# Altium PCB fMAX_MB.PcbDoc (part 10 of 13)
Units mil, origin at the board's own origin, x right, y up, seen from the top; angles counter-clockwise.
Board outline 9175 x 6300 mil, 14 copper layers (TopLayer, Gnd1, MidLayer1, Power1, MidLayer4, Power2, MidLayer2, Power3, MidLayer3, Gnd3, MidLayer6, Gnd2, MidLayer5, BottomLayer); 679 components, 896 nets, 4133 pads, 2341 vias.
Unrouted connection lines stored in the file: 4.
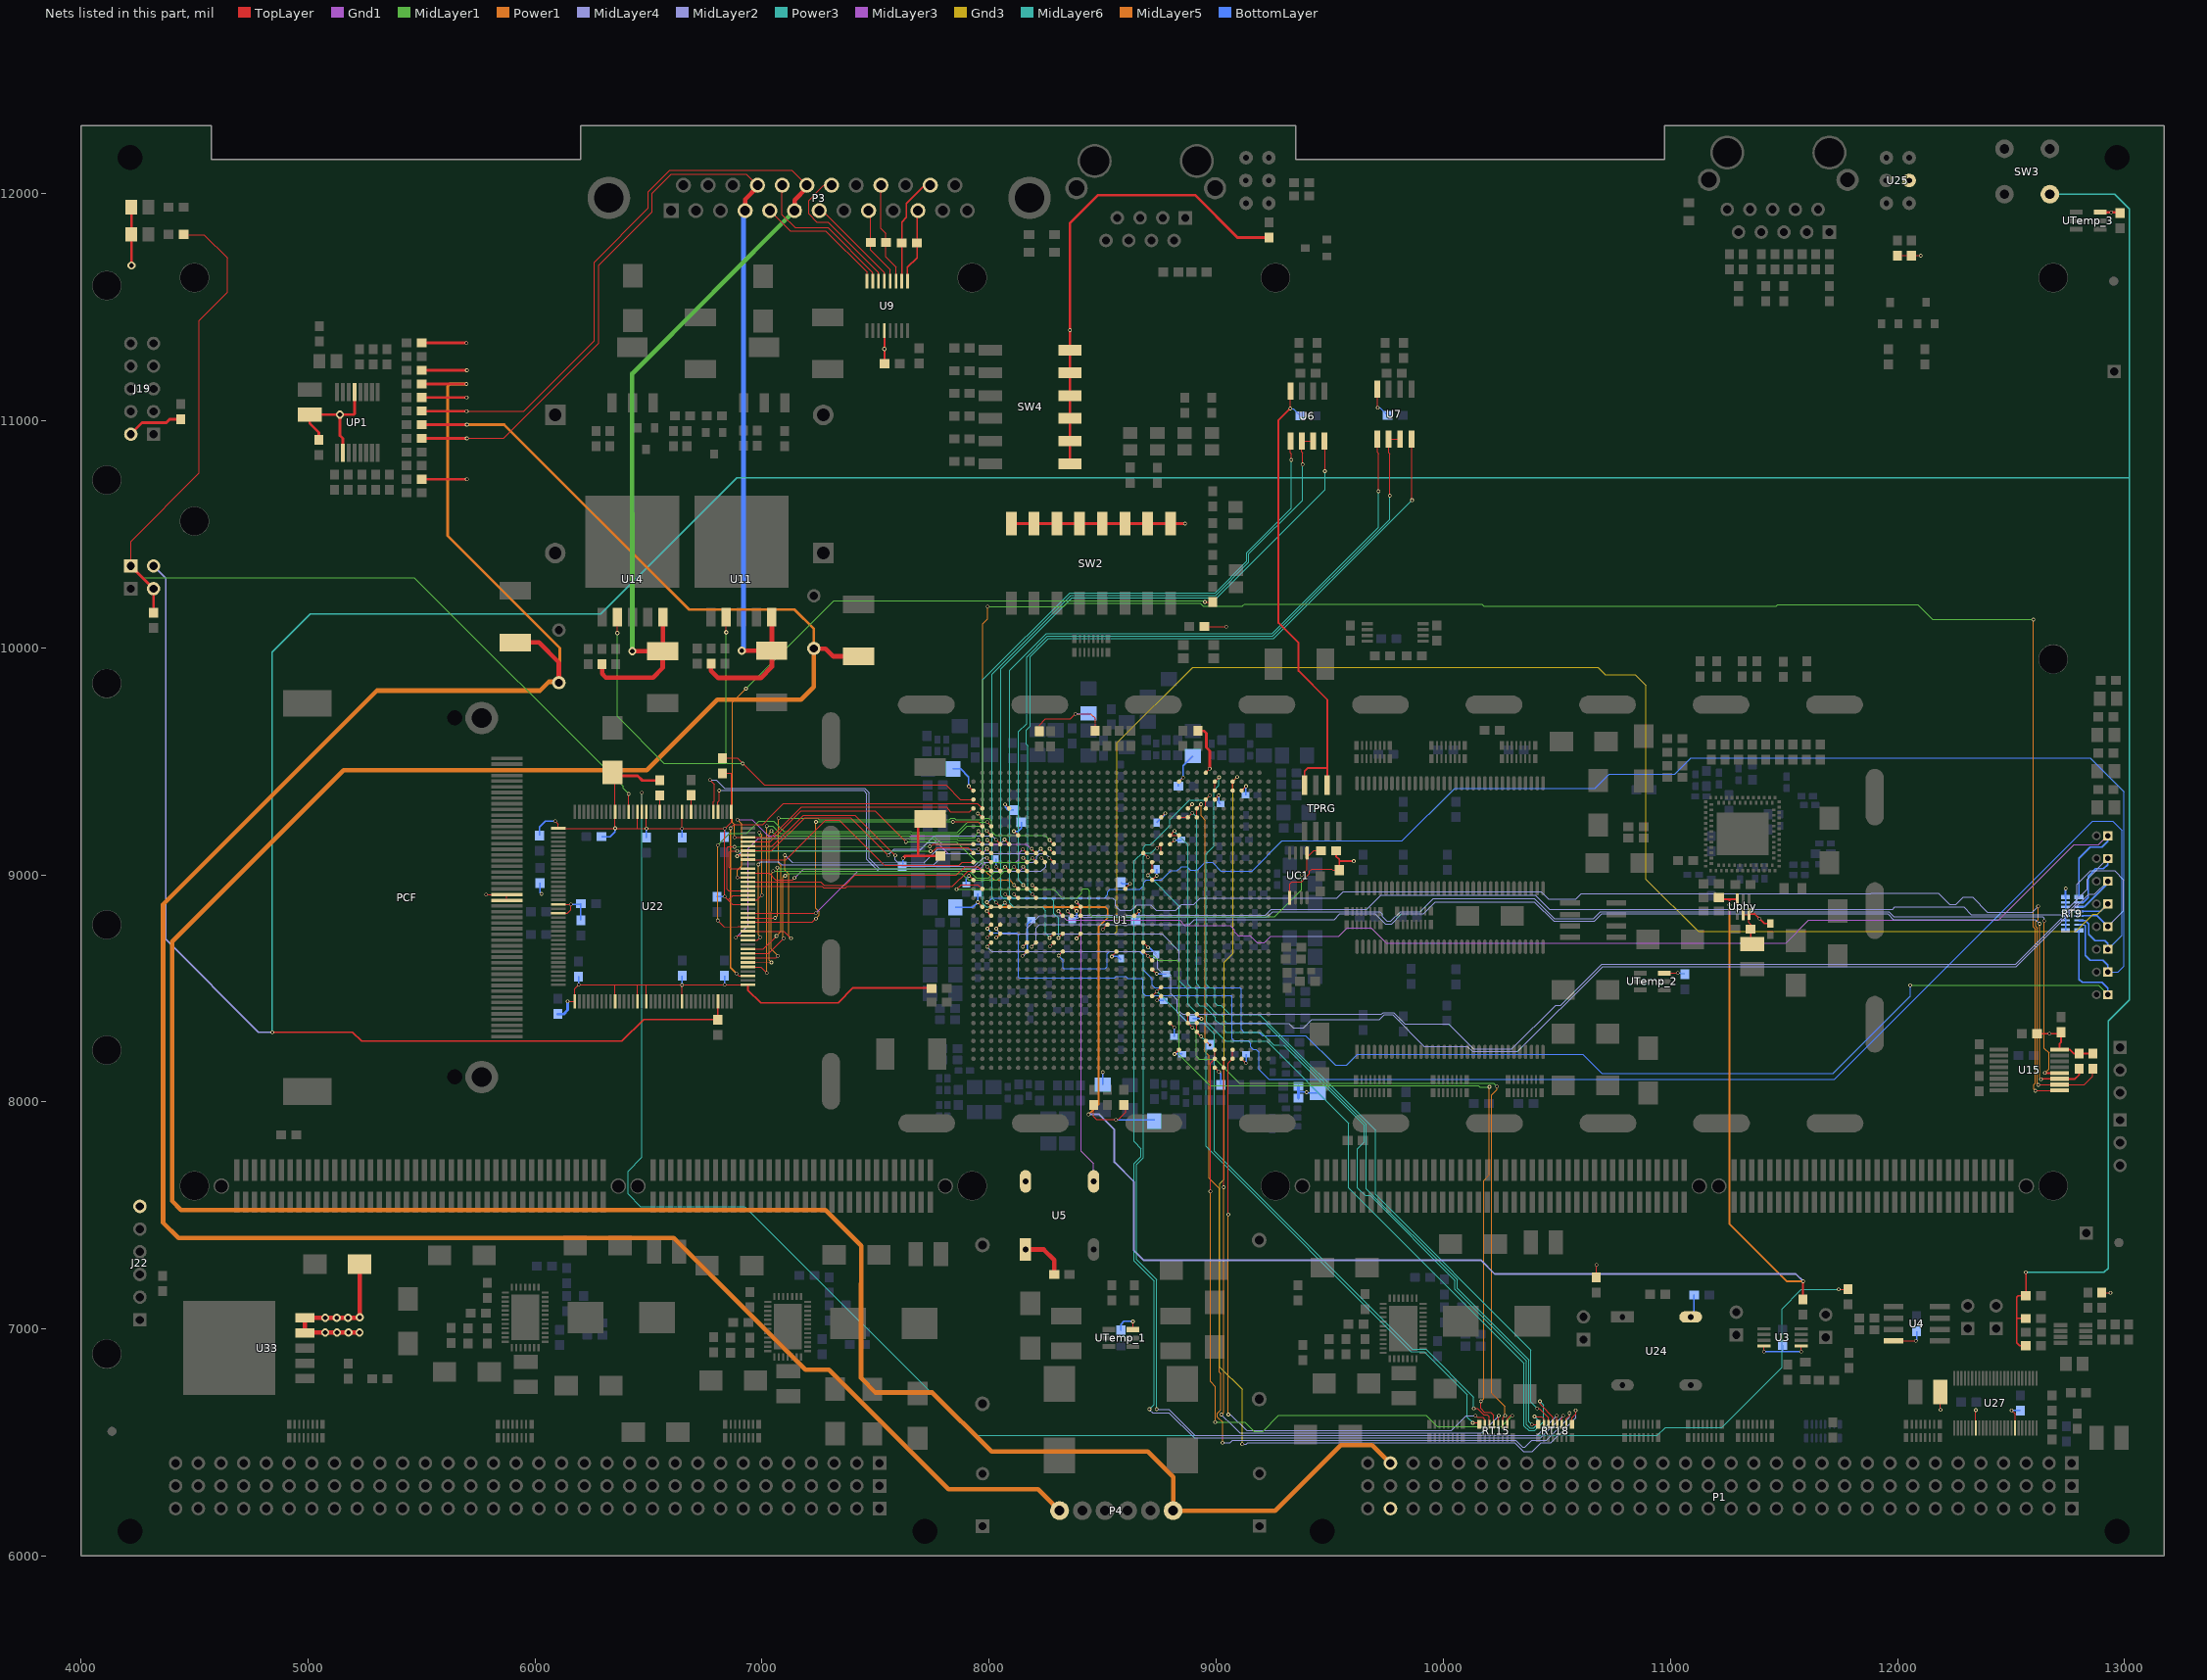
[diagram p22: the nets of this part, all layers, seen from the top]

## Via types
v1: diameter 16, hole 10, TopLayer to BottomLayer, tented both sides, 2192 vias
v2: diameter 36, hole 20, TopLayer to BottomLayer, tented both sides, 84 vias
v3: diameter 20, hole 10, TopLayer to BottomLayer, tented both sides, 61 vias
v4: diameter 160, hole 125, TopLayer to BottomLayer, tented both sides, 4 vias

## Nets (pads, with @x,y where several pads share a name; then routed paths per layer and width w, separated by ;. In a path a pad name is that pad's centre, name@x,y a point inside that pad or via, vN(x,y) a via of type N, cw(c..) or ccw(c..) an arc to the next point about the centre after c; other vN are vias at no path point) (continued)
RS485A_DE_1: U1.AH14 U7.2 U7.3 | length 3305.5
  TopLayer w5: v1(8150,8955) 8166.61,8938.39 U1.AH14@8166.61,8937.8 ; v1(9763.78,10669.29) 9763.78,10853.35 9759.38,10857.75 U7.2@9759.38,10917.92 U7.3@9809.38,10917.92
  MidLayer6 w5: v1(8150,8955) 8150,8956.3 8129.92,8976.38 8129.92,9629.92 8165.35,9665.35 8165.35,9959.65 8256.89,10051.18 9249.64,10051.18 9763.78,10565.32 v1(9763.78,10669.29)
RS485A_DI_1: U1.AG15 U7.4 | length 3323.8
  TopLayer w5: v1(8190,8915) 8205.98,8899.02 U1.AG15@8205.98,8898.43 ; U7.4@9859.38,10917.92 9862.2,10915.09 v1(9862.2,10649.61)
  MidLayer6 w5: v1@8188.98,8915.35 8188.98,8917.32 8169.29,8937.01 8169.29,9567.91 8163.39,9573.82 8163.39,9636.81 8181.1,9654.53 8181.1,9960.63 8260.83,10040.35 9252.95,10040.35 v1@9863.19,10650.59
RS485A_RO_1: U1.AD19 U7.1 | length 3668.1
  TopLayer w5: v1(8305,8722) U1.AD19@8324.09,8740.94 ; U7.1@9709.38,10917.92 9709.38,10859.52 9714.57,10854.33 v1(9714.57,10688.98)
  MidLayer6 w5: v1(8305,8722) 8305,8808.19 8284.45,8828.74 8284.45,8884.84 8271.65,8897.64 8102.36,8897.64 8090.55,8909.45 8090.55,9900.59 8251.97,10062.01 9246.32,10062.01 9714.57,10530.25 v1(9714.57,10688.98)
RS485B_DE_1: U1.AL16 U6.2 U6.3 | length 3057.8
  TopLayer w5: v1(8030,8878) 8048.5,8859.5 U1.AL16@8048.5,8859.06 ; v1(9379.92,10807.09) 9379.92,10858.27 9376.47,10861.72 U6.2@9376.47,10909.61 U6.3@9426.47,10909.61
  MidLayer6 w5: v1(8030,8878) 8030,8879.45 8011.81,8897.64 8011.81,9882.87 8360.24,10231.3 8998.65,10231.3 9143.7,10376.35 9143.7,10413.39 9379.92,10649.61 v1(9379.92,10807.09)
RS485B_DI_1: U1.AE19 U6.4 | length 3349.5
  TopLayer w5: v1(8266,8722) U1.AE19@8284.72,8740.94 ; U6.4@9476.47,10909.61 9478.35,10907.73 v1(9478.35,10777.56)
  MidLayer6 w5: v1(8266,8722) 8266,8724.16 8248.03,8742.13 8248.03,8842.52 8232.28,8858.27 8108.27,8858.27 8090.55,8875.98 8090.55,8883.86 8075.79,8898.62 8062.01,8898.62 8051.18,8909.45 8051.18,9907.48 8364.17,10220.47 9001.97,10220.47 9478.35,10696.85 v1(9478.35,10777.56)
RS485B_RO_1: U1.AK16 U6.1 | length 3112.3
  TopLayer w5: v1(8069,8877) 8086.87,8859.13 U1.AK16@8087.87,8859.06 ; U6.1@9326.47,10909.61 9326.47,10858.57 9330.71,10854.33 v1(9330.71,10826.77)
  MidLayer6 w5: v1(8069,8877) 8069,8876.09 8052.17,8859.25 7986.22,8859.25 7972.44,8873.03 7972.44,9859.25 8355.32,10242.13 8995.34,10242.13 9133.7,10380.49 9133.7,10418.15 9330.71,10615.16 v1(9330.71,10826.77)
SER_CLK_FS+_19: P3.22 R167.1 U9.3 | length 450.2
  TopLayer w5: P3.22@7523.22,12036.73 7523.22,11846.78 7544.93,11825.07 7544.93,11720.07 7589.85,11675.15 U9.3@7589.85,11614.09
SER_CLK_FS-_19: P3.9 R167.2 U9.4 | length 337
  TopLayer w5: P3.9@7478,11915.79 7478,11752 7565,11665 U9.4@7565,11614.83
SER_CLK_TS+_19: P3.18 U9.7 | length 672.9
  TopLayer w5: P3.18@7088.41,12036.73 7088.41,11906.59 7145,11850 7290,11850 7487.49,11652.51 U9.7@7487.49,11614.09
SER_CLK_TS-_19: P3.5 U9.8 | length 579.4
  TopLayer w5: P3.5@7034.06,11924.92 7123.98,11835 7280,11835 7461.9,11653.1 U9.8@7461.9,11614.09
SER_DATA_FS+_19: P3.24 R168.2 U9.2 | length 481.4
  TopLayer w6: U9.2@7615,11620 7615,11781.46 7615,11875 7635,11895 7635,11955 7715,12035 P3.24@7740,12035
SER_DATA_FS-_19: P3.11 R168.1 U9.1 | length 324.1
  TopLayer w6: U9.1@7640,11620 7640,11675 7682.46,11717.46 7682.46,11921.12 P3.11@7686.27,11924.92
SER_DATA_TS+_19: P3.20 U9.6 | length 641.3
  TopLayer w5: P3.20@7305.81,12036.73 7271.73,12036.73 7205,11970 7205,11910 7240,11875 7290,11875 7513.08,11651.92 U9.6@7513.08,11614.09
SER_DATA_TS-_19: P3.7 U9.5 | length 437.8
  TopLayer w5: P3.7@7251.47,11924.92 7265.08,11924.92 7538.67,11651.33 U9.5@7538.67,11614.09
SERIAL_PORT1_RX_2: U1.AH20 U15.12 | length 5523.2
  TopLayer w5: v1(8148,8683) U1.AH20@8166.61,8701.57
  TopLayer w8: v1(12648.79,8127.21) U15.12@12713.86,8127.21
  MidLayer5 w5: v1(12645.67,8796.26) 12645.67,8236.22 12666.34,8215.55 12666.34,8144.75 v1(12648.79,8127.21)
  MidLayer4 w5: v1(8148,8683) 8165,8700 8165.35,8700 8165.35,8762.88 8222.36,8819.88 8351.01,8819.88 8361.04,8809.86 8392.53,8809.86 8395.51,8812.83 9222.28,8812.83 9247.72,8838.27 9720.16,8838.27 9731.23,8827.19 9731.23,8816.01 9751.97,8795.28 9767.72,8795.28 9810.71,8838.27 9898.27,8838.27 9955,8895 10400.28,8895 10488.19,8807.09 10661.42,8807.09 10692.6,8838.27 11960.94,8838.27 11984.25,8814.96 12639.76,8814.96 12645.67,8809.06 v1(12645.67,8796.26)
SERIAL_PORT1_TX_2: R23.1 U1.AG20 U15.11 | length 5576.2
  TopLayer w5: v1(8188,8683) 8205.98,8700.98 U1.AG20@8205.98,8701.57
  TopLayer w8: v1@12631.61,8101.61 U15.11@12713.86,8101.61 ; U15.11@12715,8100 12780,8100 12800,8120 R23.1@12800,8146.54
  MidLayer5 w5: v1(12625.98,8784.45) 12625.98,8106.02 v1(12632,8100)
  MidLayer4 w5: v1(8188,8683) 8188,8684.06 8206.69,8702.76 8206.69,8765.75 8222.52,8781.58 8882.96,8781.58 8904.21,8802.83 9519.37,8802.83 9544.8,8828.27 9699.29,8828.27 9744.09,8783.46 9771.65,8783.46 9816.46,8828.27 9913.27,8828.27 9965,8880 10401.13,8880 10485.86,8795.28 10665.35,8795.28 10698.35,8828.27 11956.8,8828.27 11981.92,8803.15 12607.28,8803.15 v1(12625.98,8784.45)
SERIAL_PORT2_RX_2: U1.AJ14 U15.9 | length 8192.8
  TopLayer w5: v1(8110,8955) U1.AJ14@8127.24,8937.8 ; v1(12607.28,8049.21) U15.9@12712.64,8049.21
  MidLayer1 w5: v1(7993.11,10181.1) 8327.76,10181.1 8342.52,10195.87 8930.12,10195.87 8942.91,10183.07 9115.35,10183.07 9122.2,10189.93 ; 9124.05,10191.77 10169.81,10191.77 10177.53,10184.06 11466.9,10184.06 11471.82,10188.98 12089.57,10188.98 12154.53,10124.02 v1(12598.43,10124.02)
  MidLayer5 w5: v1@7993.11,10180.12 7993.11,10125.98 7972.44,10105.32 7972.44,9027.56 8023.62,8976.38 8089.57,8976.38 8110,8955.94 v1(8110,8955) ; v1(12598.43,10124.02) 12598.43,8769.32 12605.98,8761.76 12605.98,8082.36 12599.41,8075.79 12599.41,8057.09 v1(12607.28,8049.21)
SERIAL_PORT2_TX_2: R24.1 U1.AJ15 U15.10 | length 5805.2
  TopLayer w5: v1(8110,8915) 8126.57,8898.43 U1.AJ15@8127.24,8898.43 ; v1(12620.08,8074.8) U15.10@12712.64,8074.8 ; U15.10@12713.86,8076.02 12823.07,8076.02 12860,8112.95 R24.1@12860,8146.54
  MidLayer5 w5: v1@12615.98,8078.9 12615.98,8765.91 12609.25,8772.64 12609.25,8793.31 12619.09,8803.15 v1(12619.09,8861.22)
  MidLayer4 w5: v1(8110,8915) 8110,8913.62 8125.98,8897.64 8544.29,8897.64 8556.1,8885.83 8556.1,8863.19 8576.46,8842.83 8625.94,8842.83 8650.23,8867.13 8710.79,8867.13 8735.08,8842.83 8820.82,8842.83 8848.06,8870.08 8901.57,8870.08 8929.13,8897.64 9531.5,8897.64 9559.06,8925.2 10430.12,8925.2 10462.6,8892.72 10582.68,8892.72 10607.28,8917.32 11881.89,8917.32 11883.7,8919.13 12180.28,8919.13 12230.32,8869.09 12257.87,8869.09 12290.35,8901.57 12329.72,8901.57 12396.34,8834.96 12592.83,8834.96 v1(12619.09,8861.22)
SERIALN0_2: J13.1 RT9.16 U1.AD21 | length 5767.1
  TopLayer w5: v1(8306,8644) 8324.09,8662.09 U1.AD21@8324.09,8662.2
  MidLayer1 w5: v1(12056.1,8513.78) 12884.06,8513.78 J13.1@12926.06,8471.77
  BottomLayer w5: v1(8306,8644) 8306,8643.8 8325.79,8624.02 8325.79,8589.57 8327.76,8587.6 8511.81,8587.6 8519.68,8595.47 8519.68,8651.57 8529.53,8661.42 8662.4,8661.42 8679.13,8644.68 8679.13,8580.71 8717.52,8542.32 8717.52,8513.78 8728.35,8502.95 9103.35,8502.95 9110.24,8496.06 9110.24,8318.9 9122.05,8307.09 9188.98,8307.09 9203.74,8292.32 9393.7,8292.32 9524.61,8161.42 9573.82,8161.42 9622.05,8209.65 10614.17,8209.65 10698.82,8125 11715.55,8125 12056.1,8465.55 v1(12056.1,8513.78)
  BottomLayer w6: RT9.16@12799.06,8755.08 12799.06,8539.94 12813,8526 12901,8526 12926.06,8500.94 J13.1@12926.06,8471.77
SERIALN1_2: J12.1 RT9.15 U1.AM16 | length 6577.3
  TopLayer w5: v1(7990,8879) 8009.13,8859.87 U1.AM16@8009.13,8859.06
  BottomLayer w5: v1@7993.17,8879 8011.81,8897.64 8507.87,8897.64 8522.64,8912.4 8522.64,8926.18 8533.46,8937.01 8663.39,8937.01 8681.1,8954.72 8681.1,8965.55 8692.91,8977.36 8759.84,8977.36 8800.2,9017.72 8828.74,9017.72 8846.46,9035.43 8871.06,9035.43 8885.83,9020.67 8917.32,9020.67 8950.79,9054.13 8982.28,9054.13 9019.68,9016.73 9157.48,9016.73 9290.35,9149.61 9818.9,9149.61 10050.2,9380.91 10668.31,9380.91 10730.32,9442.91 11018.7,9442.91 11090.55,9514.76 12849.41,9514.76 12998.03,9366.14 12998.03,8597.44 12972.36,8571.77 J12.1@12926.06,8571.77
  BottomLayer w6: v1(7990,8879) v1@7993.17,8879 ; RT9.15@12799.06,8779.68 12823.32,8779.68 12827,8776 12827,8646 12849,8624 12905,8624 12926.06,8602.94 J12.1@12926.06,8571.77
SERIALN2_2: J11.1 RT9.14 U1.AM18 | length 6867.1
  TopLayer w5: v1(7992,8763) 8009.13,8780.13 U1.AM18@8009.13,8780.31
  BottomLayer w5: v1(7992,8763) 7992,8762.92 8010.83,8744.09 8120.08,8744.09 8128.94,8735.24 8128.94,8549.21 8132.87,8545.28 8551.18,8545.28 8559.06,8553.15 8601.38,8553.15 8610.24,8544.29 8670.28,8544.29 8677.17,8537.4 8677.17,8478.35 8687.99,8467.52 9069.88,8467.52 9069.88,8277.56 9076.77,8270.67 ; 9077.76,8269.68 9139.76,8269.68 9151.57,8257.87 9151.57,8242.13 9162.4,8231.3 9176.18,8231.3 9188.98,8218.5 9188.98,8141.73 9231.3,8099.41 11723.43,8099.41 12859.25,9235.24 12947.83,9235.24 12988.03,9195.04 12988.03,8733.74 J11.1@12926.06,8671.77
  BottomLayer w6: RT9.14@12799.06,8799.37 12826.63,8799.37 12843,8783 12843,8737 12870,8710 12913,8710 12926.06,8696.94 J11.1@12926.06,8671.77
SERIALN3_2: J10.1 RT9.13 U1.AL18 | length 6141.6
  TopLayer w5: v1(8031,8763) 8048.31,8780.31 U1.AL18@8048.5,8780.31
  MidLayer2 w5: v1(8031,8763) 8031,8761.32 8052.17,8740.16 8760.83,8740.16 8837.6,8663.39 8837.6,8399.61 8851.38,8385.83 9727.98,8385.83 9735.86,8393.7 9780.51,8393.7 9831.69,8342.52 10022.64,8342.52 10132.87,8232.28 10302.17,8232.28 10495.08,8425.2 10517.35,8425.2 10698.46,8606.3 12520.31,8606.3 12790.35,8876.35 12790.35,8957.68 12850.39,9017.72 12955.71,9017.72 12995.08,8978.35 12995.08,8840.79 J10.1@12926.06,8771.77
  BottomLayer w6: RT9.13@12799.06,8819.06 12878.78,8819.06 J10.1@12926.06,8771.77
SERIALN4_2: J9.1 RT9.12 U1.AL19 | length 7073.2
  TopLayer w5: v1(8031,8723) 8048.5,8740.5 U1.AL19@8048.5,8740.94
  Gnd3 w5: v1(8031,8723) 8035.01,8723 8053.15,8741.14 8552.17,8741.14 8562.99,8751.97 8562.99,9580.71 8896.65,9914.37 10681.1,9914.37 10713.58,9881.89 10845.47,9881.89 10892.72,9834.65 10892.72,8979.69 11122.09,8750.32 12786.73,8750.32 12862.2,8825.79 12880.08,8825.79 J9.1@12926.06,8871.77
  BottomLayer w6: RT9.12@12799.06,8838.74 12893.03,8838.74 J9.1@12926.06,8871.77
SERIALN5_2: J8.1 RT9.11 U1.AM20 | length 5802.1
  TopLayer w5: v1(7991,8683) 8009.13,8701.13 U1.AM20@8009.13,8701.57
  MidLayer2 w5: v1(7991,8683) 7991,8681.24 8010.83,8661.42 8721.46,8661.42 8741.14,8641.73 8741.14,8586.61 8758.86,8568.9 8786.42,8568.9 8799.21,8556.1 8799.21,8477.36 8827.6,8448.98 8827.6,8394.84 8877.44,8345 9320,8345 9340,8325 9385,8325 9422,8362 9718.3,8362 9739.5,8383.2 9776.25,8383.2 9914.37,8245.08 10105.94,8245.08 10129.56,8221.46 10327.76,8221.46 10701.77,8595.47 12523.62,8595.47 12842.52,8914.37 12868.66,8914.37 J8.1@12926.06,8971.77
  BottomLayer w6: RT9.11@12799.06,8858.43 12822.43,8858.43 12926.06,8962.06 J8.1@12926.06,8971.77
SERIALN6_2: J7.1 RT9.10 U1.AC17 | length 5101.8
  TopLayer w5: v1@8345,8838.15 U1.AC17@8363.46,8819.68
  MidLayer3 w5: v1@8345,8837.4 v1(8345,8840)
  MidLayer4 w5: v1(8345,8840) 8362.2,8822.83 9216.54,8822.83 9241.97,8848.27 9663.27,8848.27 9725,8910 10405,8910 10466.73,8848.27 11978.19,8848.27 11988.19,8858.27 12291.34,8858.27 12324.65,8824.96 12722.6,8824.96 12834.65,8937.01 12834.65,8980.35 J7.1@12926.06,9071.77
  BottomLayer w6: RT9.10@12799.06,8878.11 12819.11,8878.11 12840,8899 12840,8993 12873,9026 12907,9026 12925,9044 J7.1@12925,9072
SERIALN7_2: J6.1 RT9.9 U1.AD17 | length 5317
  TopLayer w5: v1(8305,8840) 8324.09,8820.91 U1.AD17@8324.09,8819.68
  MidLayer3 w5: v1(8305,8840) 8305,8834.76 8340.24,8799.53 8839.25,8799.53 8861.22,8777.56 9060.04,8777.56 9079.63,8757.96 9079.63,8748.12 9096.97,8730.79 9150.12,8730.79 9179.49,8701.42 9212.97,8701.42 9240.88,8729.33 9539.01,8729.33 9576.33,8766.65 9681.18,8766.65 9748.03,8699.8 11508.86,8699.8 11609.25,8800.2 12444.88,8800.2 12777.56,9132.87 12884.84,9132.87 J6.1@12925.2,9173.23
  BottomLayer w6: RT9.9@12799.06,8902.72 12799.06,9072.06 12849,9122 12900,9122 12926.06,9148.06 J6.1@12926.06,9171.77
SQUID9V_EN_1: R501.1 U1.AP4 U11.2 U14.2 | length 2896.6
  TopLayer w5: v3(6362.2,10064.8) U14.2@6362.2,10134.42 ; R501.1@6826,9513.46 6891.54,9513.46 7010,9395 7810,9395 7873.5,9331.5 U1.AP4@7930.39,9331.5 ; v3(6842.2,10067.94) U11.2@6842.2,10134.42
  MidLayer1 w5: v3(6362.2,10064.8) 6362.2,9697.8 6568.25,9491.75 6841.14,9491.75 ; 6841.69,9492.29 6842.71,9492.29 6845,9490 v1(6915,9490) ; 6842.2,9492.8 v3(6842.2,10067.94)
SQUID_8V5N_1: C337.2 P3.6 P3.19 R165.2 RP19.1 U14.5 | length 5469.1
  TopLayer w5: v1@5699.88,11041.88 5950.88,11041.88 6261,11352 6261,11698 6499,11936 6499,12008 6593,12102 ; 6592,12103 7130.85,12103 P3.19@7197.11,12036.73
  TopLayer w12: RP19.1@5501.35,11041.88 v1@5699.88,11041.88 ; P3.19@7197.11,12026.11 P3.19@7197.11,12036.73
  TopLayer w20: R165.2@6295.13,9927.3 6295.13,9885.87 6312.06,9868.94 6520.06,9868.94 6562.06,9910.94 C337.2@6562.06,9984.11 v2(6428.24,9984.11) ; C337.2@6562.98,9985.03 U14.5@6562.98,10134.42 ; P3.6@7142.77,11924.92 7142.77,11971.76 P3.19@7197.11,12026.11
  MidLayer1 w20: 6428,11205 P3.6@7142.77,11924.92 ; 6428,11207 v2(6428.24,9984.11)
  other v1: 5699,11041.88
SQUID_8V5P_1: C334.1 P3.4 P3.17 R163.2 RP12.2 U11.5 | length 4992.8
  TopLayer w5: v1(5699.88,10921.88) 5861.88,10921.88 6281,11341 6281,11685 6516,11920 6516,12001 6601,12086 6930.45,12086 P3.17@6979.71,12036.73
  TopLayer w12: RP12.2@5501.35,10921.88 v1(5699.88,10921.88) ; P3.17@6979.71,12028.71 P3.17@6979.71,12036.73
  TopLayer w20: R163.2@6775.06,9929.47 6775.06,9898.94 6807.06,9866.94 6995.06,9866.94 7042.98,9914.86 7042.98,9987.11 U11.5@7042.98,10134.42 ; v2(6910.89,9987.11) C334.1@7042.06,9987.11 ; P3.4@6925.36,11924.92 6925.36,11974.36 P3.17@6979.71,12028.71
  BottomLayer w20: v2@6910,9985 6911.5,9986.5 6917.83,9992.83 6917.83,11917.38 P3.4@6925.36,11924.92
SYSACE_CFGMODEPIN_10: R93.2 U22.89 | length 70.7
  TopLayer w5: U22.89@6549.53,9277.32 R93.2@6549.53,9348.06
SYSACE_CLK_1: R4.2 U22.93 | length 8107.5
  TopLayer w5: U22.93@6470.79,9277.32 v1(6470.79,9361.21) ; v1(11741.14,7174.21) 11780.75,7174.21 R4.2@11782,7175.46
  MidLayer6 w5: v1(6470.79,9361.21) 6470.79,7756.22 6409.45,7694.88 6409.45,7594.49 6464.57,7539.37 6923.23,7539.37 7932.09,6530.51 10940.94,6530.51 10977.36,6566.93 11227.36,6566.93 11491.14,6830.71 11491.14,7088.58 11576.77,7174.21 v1(11741.14,7174.21)
SYSACE_ERR_LED_10: J20.1 J21.2 R94.2 R95.1 U22.96 | length 4707.2
  TopLayer w5: J20.1@4220,10360 4220,10467.05 4521.65,10768.7 4521.65,11440.94 4645.67,11564.96 4645.67,11716.54 4543.31,11818.9 R94.2@4452.76,11818.9 ; U22.96@6411.73,9277.32 v1(6411.73,9355.73)
  TopLayer w12: J20.1@4220,10360 J21.2@4320,10260 R95.1@4320,10153.46
  MidLayer1 w5: J20.1@4220,10360 4272,10308 5468,10308 6387.49,9388.51 6387.49,9380.51 6411.73,9356.27 v1(6411.73,9355.73)
SYSACE_MPA0: R83.2 U1.AP5 U22.70 | length 4027.1
  TopLayer w4: v1(6878.12,9165.12) U22.70@6937.32,9165.12 ; v1(8950.16,10201.16) R83.2@8984.79,10201.16
  TopLayer w5: U22.70@6937.32,9165.12 7040.12,9165.12 7174,9299 7813,9299 7830,9277 7914,9277 U1.AP5@7930,9292
  MidLayer1 w5: v1(6929,9820) 7315.69,10206.69 8946.85,10206.69 8950.16,10203.39 v1(8950.16,10201.16)
  MidLayer5 w5: v1(6878.12,9165.12) 6878.12,9220.31 6869.09,9229.33 6869.09,9760.09 v1(6929,9820)
SYSACE_MPA1: U1.AM12 U22.69 | length 1238.1
  TopLayer w5: U22.69@6937.32,9145.43 7036.18,9145.43 7172.24,9281.5 7496.5,9281.5 v1(7633,9145) ; v1(7991,9035) 8009.13,9016.87 U1.AM12@8009.13,9016.54
  MidLayer1 w5: v1(7633,9145) 7856,9145 7943,9058 7968,9058 v1(7991,9035)
SYSACE_MPA2: U1.AM11 U22.68 | length 1258.1
  TopLayer w5: U22.68@6937.32,9125.75 7045.04,9125.75 7182.09,9262.8 7409.45,9262.8 v1(7586.61,9085.63) ; v1(7990,9075) U1.AM11@8009.13,9055.91
  MidLayer4 w5: v1(7586.61,9085.63) 7586.61,9064.96 7614.84,9036.73 7935.98,9036.73 7974.24,9075 v1(7990,9075)
SYSACE_MPA3: U1.AL9 U22.67 | length 1293.6
  TopLayer w5: U22.67@6937.32,9106.06 7042.09,9106.06 7187.99,9251.97 7388.78,9251.97 v1(7555.12,9085.63) ; v1(8030,9154) 8048.5,9135.5 U1.AL9@8048.5,9134.65
  MidLayer4 w5: v1(7555.12,9085.63) 7555.12,9087.6 7581.69,9114.17 7699.8,9114.17 7757.87,9172.24 8011.76,9172.24 v1(8030,9154)
SYSACE_MPA4: U1.AE9 U22.45 | length 1978.9
  TopLayer w5: U22.45@6937.32,8672.99 7005.67,8672.99 v1(7062.99,8730.32) ; v1(8266,9153) 8284.35,9134.65 U1.AE9@8284.72,9134.65
  MidLayer1 w5: v1@7071.85,9249.02 7245.08,9249.02 7251.09,9243 7825.68,9243 7831.69,9249.02 7846.46,9249.02 7853.47,9242 7976.25,9242 7983.27,9249.02 7998.03,9249.02 8010.83,9236.22 8010.83,9189.96 8027.56,9173.23 8245.08,9173.23 8265.31,9153 v1(8266,9153)
  MidLayer5 w5: v1(7062.99,8730.32) 7082.68,8750 7082.68,9040.35 7071.85,9051.18 v1(7071.85,9249.02)
SYSACE_MPA5: U1.AJ12 U22.44 | length 1545.6
  TopLayer w5: U22.44@6937.32,8653.31 7028.31,8653.31 v1(7095.47,8720.47) ; v1(8110,9035) 8127.24,9017.76 U1.AJ12@8127.24,9016.54
  MidLayer1 w5: v1(7101.38,8996.06) 7111.06,9005.75 7879.09,9005.75 7908.46,8976.38 8034.45,8976.38 8051.18,8993.11 8051.18,9000.98 8065.94,9015.75 8090.55,9015.75 8109.8,9035 v1(8110,9035)
  MidLayer5 w5: v1(7095.47,8720.47) 7092.68,8723.27 7092.68,8987.36 v1(7101.38,8996.06)
SYSACE_MPA6: U1.AK12 U22.43 | length 1604.1
  TopLayer w5: U22.43@6937.32,8633.62 7060.79,8633.62 7069.88,8642.72 v1(7069.88,8643.7) ; v1(8070,9035) 8087.87,9017.13 U1.AK12@8087.87,9016.54
  MidLayer1 w5: v1(7048.23,9015.75) 7914.37,9015.75 7943.74,8986.38 7997.2,8986.38 8022.64,9011.81 8047.87,9011.81 8051.18,9015.13 8051.18,9015.75 8070,9034.57 v1(8070,9035)
  MidLayer5 w5: v1(7048.23,9015.75) 7041.34,9005.91 7041,8672.58 v1(7069.88,8643.7)
SYSACE_MPBRDY_1: U1.AN5 U22.39 | length 1869.8
  TopLayer w5: v1(6861,9205) 6876,9222 7002.51,9222 7045.28,9264.76 7093.51,9313 7949,9313 7969.76,9292.24 U1.AN5@7969.76,9292.13 U1.AN5@7967.87,9292.13 ; v1(6887,8566) 6896.88,8554.88 U22.39@6937.32,8554.88
  MidLayer5 w6: v1(6861,9205) 6861,8592 v1(6887,8566)
SYSACE_MPCE_1: U1.AN8 U22.42 | length 1657.5
  TopLayer w5: U22.42@6937.32,8613.94 v1(7041,8614) ; v1(7952,9192) 7969.76,9174.24 U1.AN8@7969.76,9174.02
  MidLayer1 w5: v1(7041,9193) 7063,9171 7648.14,9171 7653.14,9166 7863.28,9166 7866.28,9163 7937,9163 v1(7952,9192)
  MidLayer5 w5: v1(7041,8614) 7031,8624 7031,9183.23 7040.77,9193 v1(7041,9193)
SYSACE_MPIRQ_1: U1.AM8 U22.41 | length 1777.1
  TopLayer w5: U22.41@6937.32,8594.25 6993.75,8594.25 v1(7021,8567) ; v1(7990,9193) 8008.98,9174.02 U1.AM8@8009.13,9174.02
  MidLayer1 w5: v1(7021,9214) 7046,9214 7078,9182 7651.28,9182 7656.07,9177.21 7866.21,9177.21 7903,9214 7969,9214 v1(7990,9193)
  MidLayer5 w5: v1(7021,8567) v1(7021,9214)
SYSACE_MPOE_USB_RD_N_1: U1.AE11 U22.77 | length 2046.2
  TopLayer w5: v1(6770.67,9417.32) 6789.15,9398.85 6789.15,9325.56 6785.75,9322.17 U22.77@6785.75,9277.32 ; v1(8265,9075) 8284.09,9055.91 U1.AE11@8284.72,9055.91
  MidLayer4 w5: v1(6770.67,9417.32) 6799.21,9417.32 6835.47,9381.06 7451.77,9381.06 7470.63,9362.2 7470.63,9072.06 7515.95,9026.73 7940.12,9026.73 7968.5,9055.12 8193.9,9055.12 8208.66,9069.88 8208.66,9081.69 8221.46,9094.49 8246.06,9094.49 8265,9075.55 v1(8265,9075)
SYSACE_MPWE_USB_WR_N_1: U1.AF11 U22.76 | length 1930.4
  TopLayer w5: U22.76@6805.43,9277.32 6805.43,9321.18 6811.02,9326.77 v1(6811.02,9371.06) ; v1(8230,9075) 8245.35,9059.65 U1.AF11@8245.35,9055.91
  MidLayer4 w5: v1(6811.02,9371.06) 7446.85,9371.06 7460.63,9357.28 7460.63,9067.91 7511.81,9016.73 8229.33,9016.73 8249.02,9036.42 8249.02,9055.12 8230,9074.13 v1(8230,9075)
SYSACE_RESET_N: J20.2 R82.1 R127.1 R128.1 R131.2 SW3.2 U22.33 | length 20458.3
  TopLayer w6: v1(4843,8307) 5196,8307 5236,8267 6383,8267 6478.9,8362.9 6805.43,8362.9 U22.33@6805.43,8442.68 ; 12524.06,7046.06 R128.1@12564.85,7046.06 ; R131.2@12564.85,6926.06 12537.94,6926.06 12524,6940 12524,7139 12531.06,7146.06 R127.1@12564.85,7146.06 v1(12564.85,7249.85)